# Allegro board P2597_B04_Allegro_layout.brd (continued)
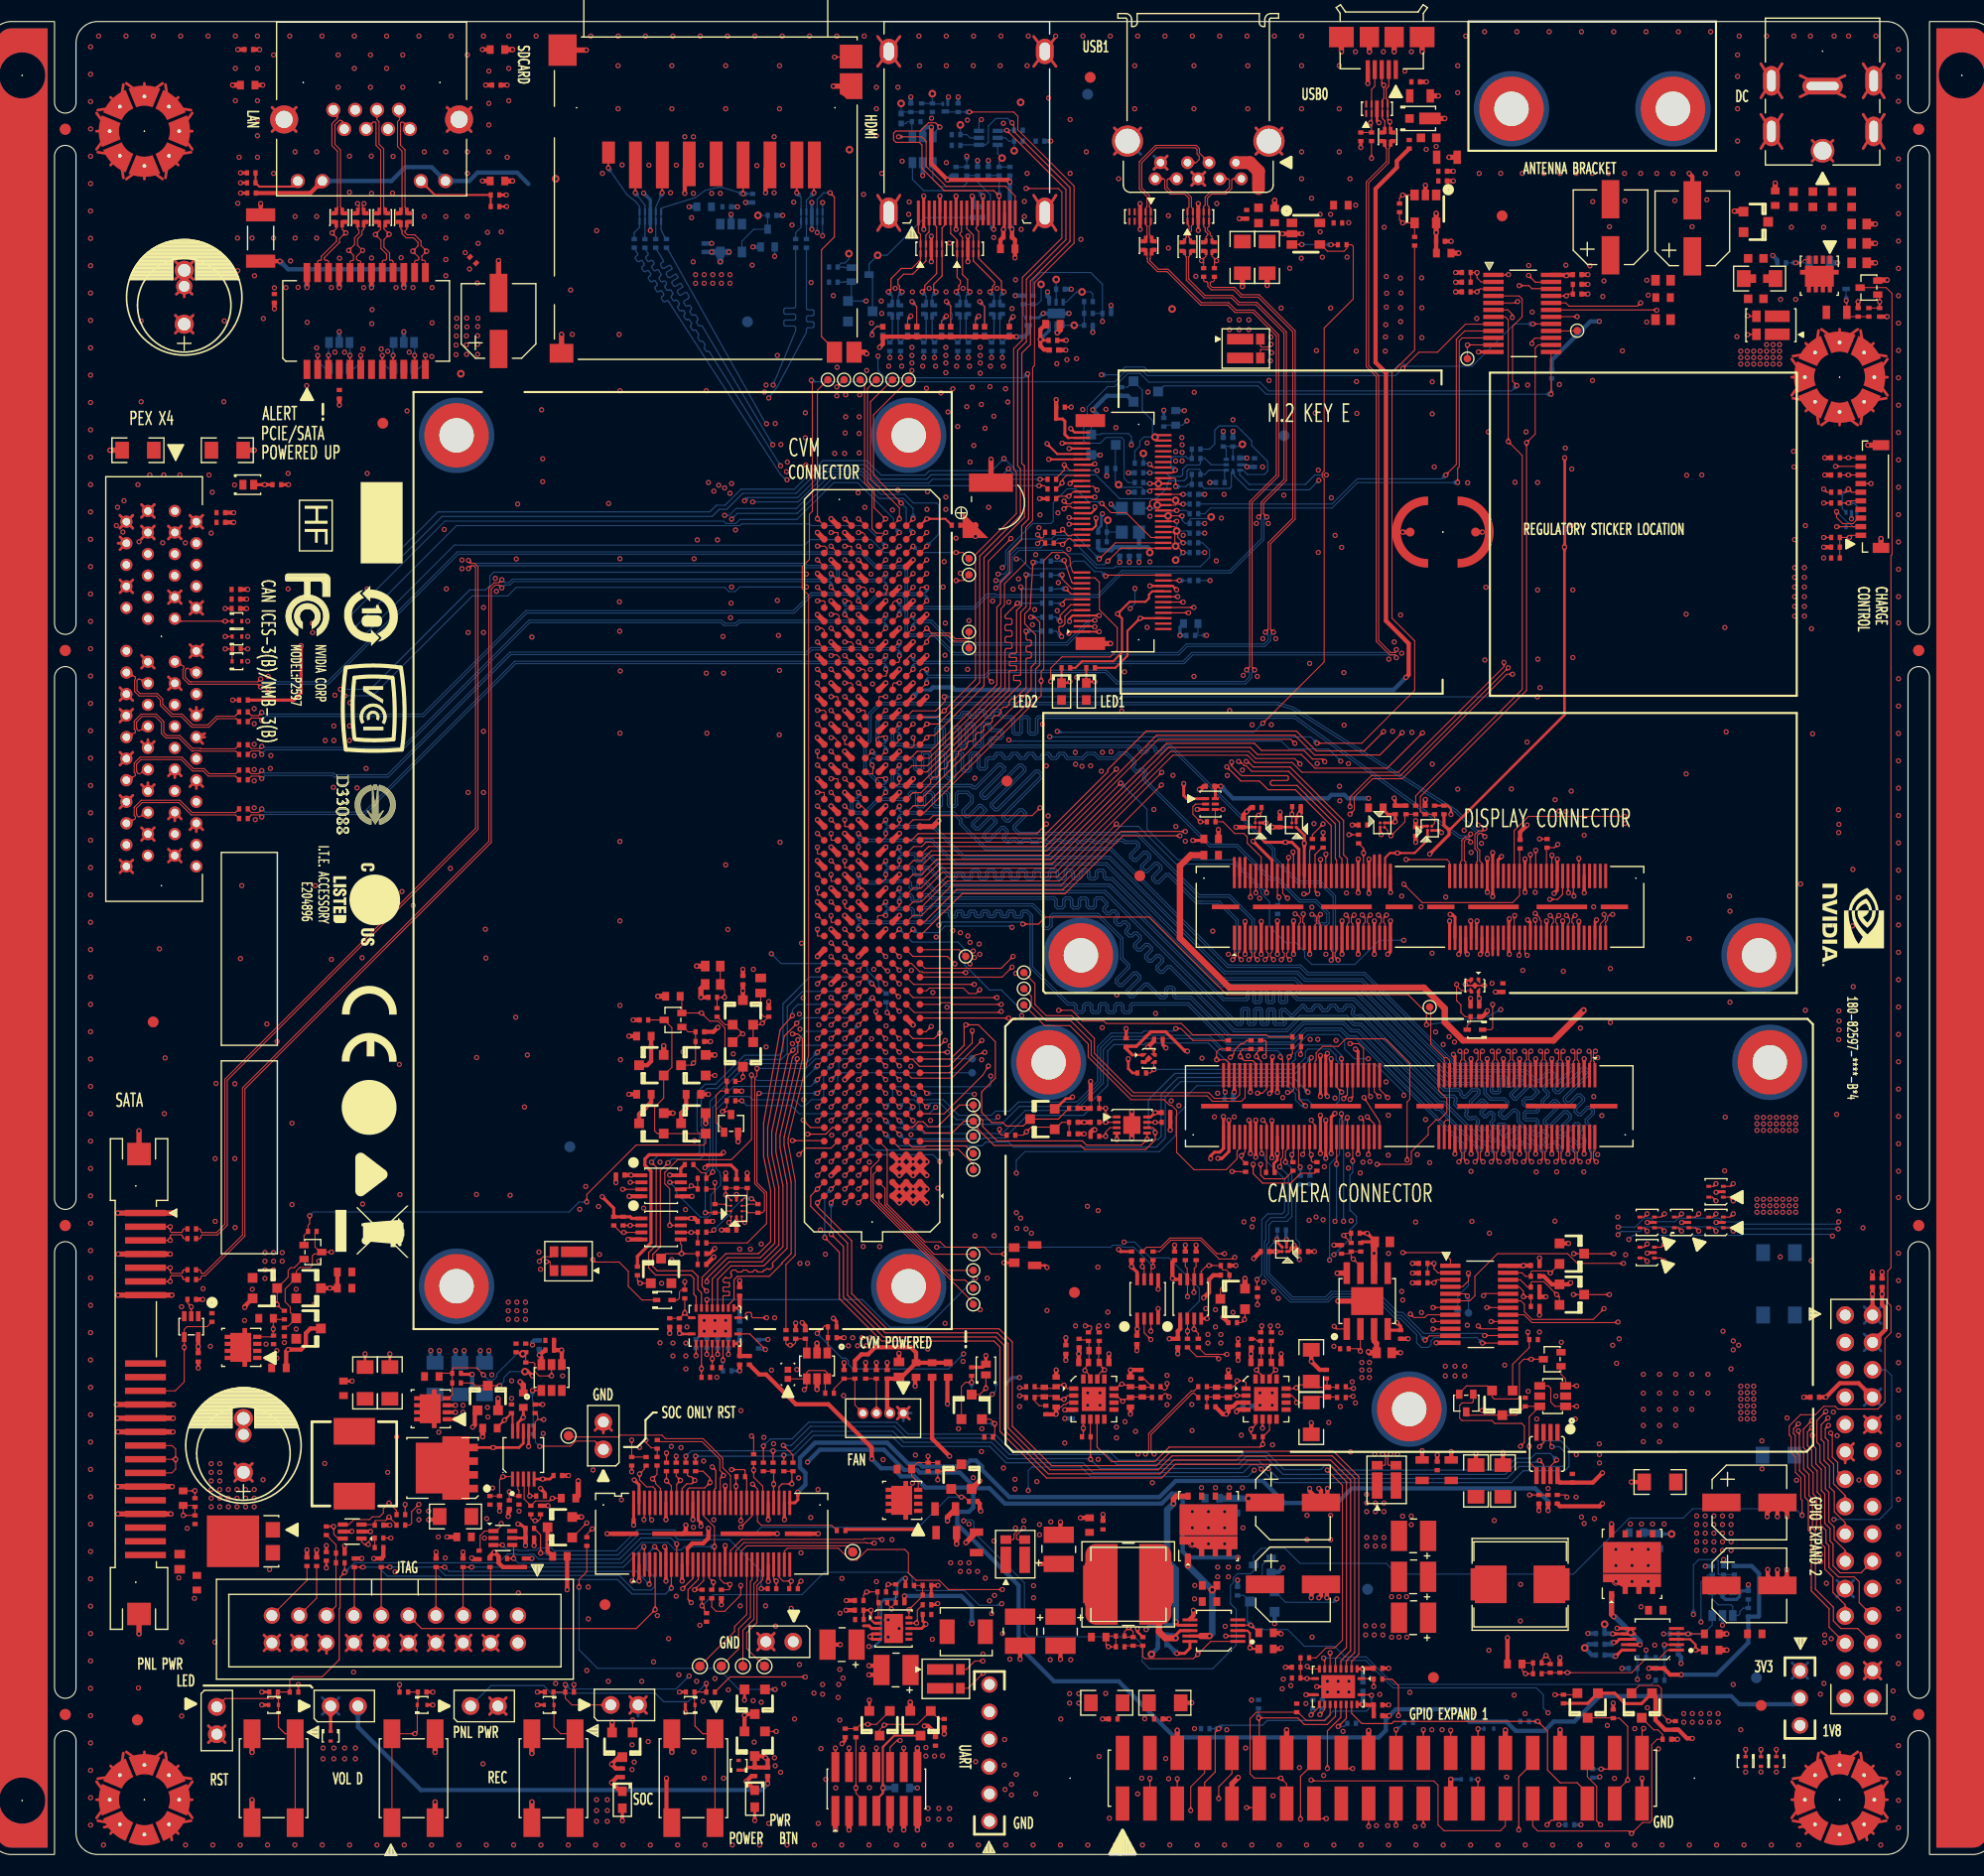
[diagram p0: board, top side]
## Routing (per net, layer and track width the routed paths; a pad name or vN(x,y) marks a point on that pad's centre or on a via; arc(x,y) is an arc through that point) (continued)
UART1_RTS_3V3_L: length 60
  TOP w0.1: U12.2 107.22,48.43 v1(107.85,47.8)
  L3 w0.1: J17.2 93.5,4.97 95.37,4.97 96.46,6.06 96.46,8.22 94.89,9.79 92.3,9.79 91.74,10.35 91.74,11.15 92.39,11.79 93.29,11.79 93.93,12.43 93.93,14.24 97.48,17.79 97.48,22.46 109.14,34.12 109.14,37.66 108.42,38.37 108.42,47.23 v1(107.85,47.8)
UART1_RTS_HDR_3V3: length 122.2
  TOP w0.1: J21.11 117.54,4.35 v1(116.74,4.35) ; U5.2 v1(59.48,62.41)
  L3 w0.1: v1(59.48,62.41) 59.48,61.8 58.15,60.48 58.15,57.05 58.91,56.29 60.2,56.29 60.38,56.11 60.38,54.25 59.62,53.49 59.62,52.02 58.62,51.02 58.62,34.18 59.6,33.2 59.6,31.66 58.86,30.91 58.86,24.61 59.19,24.28 59.19,15.69 58.82,15.32 58.82,9.61 v1(59.85,8.58)
  L4 w0.1: v1(116.74,4.35) 116.58,4.5 110.28,4.5 107.34,1.56 91.97,1.56 91.05,2.48 91.05,3.46 90.67,3.83 86.8,3.83 86.19,4.45 74.97,4.45 71,8.42 60.01,8.42 v1(59.85,8.58)
UART1_RXD: length 53.4
  TOP w0.1: R178.2 112.25,48.38 v1(111.85,48.78) 111.85,49.73 U14.3 ; J13.D10 v1(83.22,71.94)
  L3 w0.1: v1(83.22,71.94) 82.8,71.52 82.8,60.75 84.02,59.53 84.02,57.07 85.06,56.03 87.59,56.03 87.91,55.71 87.91,50.13 v1(88.73,49.31)
  L4 w0.1: v1(88.73,49.31) 89.38,49.31 89.85,49.78 110.85,49.78 v1(111.85,48.78)
UART1_RXD_3V3: length 53.3
  TOP w0.1: R177.1 112.05,54.58 111.88,54.41 U14.6 111.85,53.38 v1(111.85,52.18)
  L3 w0.1: J17.4 94.27,12.12 94.27,14.11 97.79,17.63 97.79,22.32 109.41,33.94 109.41,37.81 108.7,38.52 108.7,49.16 110.72,51.18 111.25,51.18 111.85,51.78 v1(111.85,52.18)
UART1_RXD_HDR_3V3: length 118.5
  TOP w0.1: v1(114.15,5.18) 114.15,6.28 115.38,7.51 J21.10 ; R324.2 58.6,57.75 v1(58.88,57.75) U6.3
  L3 w0.1: v1(59.65,10.18) 59.23,10.61 59.23,15.16 59.59,15.52 59.59,24.45 59.26,24.78 59.26,30.75 60,31.49 60,33.37 59.18,34.19 59.18,50.75 60.97,52.53 60.97,56.76 59.98,57.75 v1(58.88,57.75)
  L4 w0.1: v1(59.65,10.18) 60.79,9.04 71.22,9.04 75.14,5.12 90.69,5.12 91.67,4.14 91.67,2.73 92.33,2.07 107.03,2.07 110.14,5.18 v1(114.15,5.18)
UART1_TXD: length 42.1
  TOP w0.1: U12.6 107.88,54.41 v1(108.05,54.58) R168.2 ; J13.D9 v1(83.22,70.67)
  L3 w0.1: v1(87.95,56.38) 85.21,56.38 84.35,57.24 84.35,59.78 83.09,61.04 83.09,65.88 83.64,66.42 83.64,70.25 v1(83.22,70.67)
  BOTTOM w0.1: v1(87.95,56.38) 87.96,56.39 104.11,56.39 104.29,56.57 105.06,56.57 105.24,56.39 106.24,56.39 v1(108.05,54.58)
UART1_TXD_3V3: length 43.9
  TOP w0.1: v1(107.85,48.58) 107.85,49.73 U12.3
  L3 w0.1: J17.5 93.63,14.02 93.63,14.38 97.14,17.9 97.14,22.54 108.85,34.25 108.85,37.49 108.15,38.2 108.15,46.78 107.45,47.48 107.45,48.18 v1(107.85,48.58)
UART1_TXD_HDR_3V3: length 124.2
  TOP w0.1: U5.3 v1(58.77,61.75) ; J21.8 112.84,7.57 111.55,6.28 v1(111.55,4.08)
  L3 w0.1: v1(58.77,61.75) 57.89,60.87 57.89,56.88 58.78,55.99 59.86,55.99 60.08,55.77 60.08,54.41 59.3,53.63 59.3,52.22 58.34,51.25 58.34,34.18 59.4,33.12 59.4,31.74 58.66,30.99 58.66,24.53 58.98,24.2 58.98,15.77 58.07,14.86 57.27,14.86 56.7,14.28 56.7,13.33 57.12,12.91 58.12,12.91 58.62,12.41 58.62,9.53 59.29,8.86 59.29,8.24 v1(59.65,7.88)
  L4 w0.1: v1(111.55,4.08) 110.23,4.08 107.44,1.29 91.8,1.29 90.25,2.85 86.96,2.85 85.68,4.13 74.06,4.13 70.09,8.1 59.87,8.1 v1(59.65,7.88)
UART2_CTS: length 68.7
  TOP w0.1: v1(93.95,78.92) 89.35,78.92 89.19,79.08 88.38,79.08 88.23,78.92 J13.A15 ; J18.34 104.55,121.78 v1(103.05,120.28)
  L3 w0.1: v1(93.95,78.92) 93.95,80.82 93.55,81.22 93.55,101.08 95.45,102.98 95.45,104.18 94.61,105.02 94.61,115.5 94.21,115.9 94.21,118.32 v1(93.65,118.88)
  BOTTOM w0.1: v1(103.05,120.28) 100.85,122.48 98.95,122.48 98.61,122.14 95.8,122.14 94.56,120.9 94.56,119.26 94.18,118.88 v1(93.65,118.88)
UART2_RTS: length 69.3
  TOP w0.1: v1(91.95,80.28) 91.61,79.94 90.94,79.94 90.43,80.45 87.27,80.45 87.02,80.19 J13.A16 ; J18.36 107.85,122.28 105.55,124.58 104.15,124.58 v1(103.3,125.43)
  L3 w0.1: v1(94.05,119.48) 93.55,119.48 93.03,118.96 93.03,116.93 92.67,116.57 92.67,115.55 93.48,114.74 93.48,110.41 92.35,109.28 92.35,108.35 93.18,107.53 93.18,103.35 92.35,102.52 92.35,83.26 91.95,82.86 v1(91.95,80.28)
  BOTTOM w0.1: v1(103.3,125.43) 103.13,125.6 102.05,125.6 100.86,126.79 100.06,126.79 98.78,125.51 98.78,123.8 98.56,123.58 96.89,123.58 94.36,121.05 94.36,119.79 v1(94.05,119.48)
UART2_RXD: length 68.3
  TOP w0.1: v1(93.95,78.28) 93.85,78.18 85.87,78.18 85.12,78.92 ; v1(103.65,118.68) 103.75,118.78 J18.22
  L3 w0.1: v1(93.95,78.28) 94.43,78.76 94.43,80.78 93.75,81.46 93.75,100.92 95.65,102.82 95.65,104.39 94.87,105.17 94.87,115.62 95.05,115.8 95.05,116.75 94.58,117.22 94.58,118.35 95.35,119.11 v1(95.35,120.28)
  BOTTOM w0.1: v1(103.65,118.68) 103.22,119.11 102.62,119.11 101.65,120.08 100.67,120.08 99.96,119.37 96.66,119.37 95.75,120.28 v1(95.35,120.28)
UART2_TXD: length 68.7
  TOP w0.1: v1(93.55,79.56) 85.76,79.56 85.12,80.19 ; J18.32 105.05,121.28 v1(103.85,120.08)
  L3 w0.1: v1(93.45,118.28) 93.85,117.88 93.85,115.75 94.29,115.31 94.29,104.91 95.25,103.95 95.25,103.13 93.35,101.23 93.35,81 93.55,80.8 v1(93.55,79.56)
  BOTTOM w0.1: v1(93.45,118.28) 93.87,118.28 94.76,119.17 94.76,120.64 95.43,121.31 97.58,121.31 97.89,121.62 98.68,121.62 99.23,122.17 100.39,122.17 102.81,119.75 103.52,119.75 v1(103.85,120.08)
UART3_CTS: length 15.3
  TOP w0.1: J13.G9 v1(78.14,70.67)
  BOTTOM w0.1: v1(78.14,70.67) 78.75,71.28 78.75,72.18 79.15,72.58 TP504.1
UART3_RTS: length 15.3
  TOP w0.1: J13.G10 v1(78.14,71.94)
  BOTTOM w0.1: v1(78.14,71.94) 78.85,72.65 78.85,73.48 79.25,73.88 TP503.1
UART3_RXD: length 25.2
  TOP w0.1: v1(71.45,70.67) 71.25,70.47 71.25,62.36 72.15,61.46 72.15,58.58 70.35,56.78 R82.2 ; 77.5,71.3 v1(76.87,70.67)
  BOTTOM w0.1: v1(76.87,70.67) v1(71.45,70.67)
UART3_TXD: length 20.5
  TOP w0.1: v1(67.15,63.37) 66.56,62.78 R79.1 66.55,63.18 66.45,63.28 66.1,63.28 65.35,64.03 R74.1 ; 77.5,72.57 v1(76.87,71.94)
  BOTTOM w0.1: v1(76.87,71.94) 76.24,71.31 69.08,71.31 67.15,69.38 v1(67.15,63.37)
UART4_RX: length 78.1
  TOP w0.1: v1(69.75,24.98) 69.75,24.08 68.25,22.58 67.45,22.58 67.05,22.98 R87.2 ; v1(94.23,55.75) 93,55.75 92.37,56.39 88.76,56.39 88.28,56.88 86.85,56.88 83.35,60.38 83.35,65.46 J13.D5
  L3 w0.1: v1(93.27,29.1) 93.27,30.7 93.5,30.93 93.5,33.45 93.74,33.69 93.74,36.08 95.34,37.68 95.34,40.78 94.93,41.2 94.93,44.83 95.4,45.3 95.4,55.21 94.86,55.75 v1(94.23,55.75)
  L4 w0.1: v1(93.27,29.1) 92.32,28.15 78.69,28.15 76.84,26.3 72.19,26.3 70.87,24.98 v1(69.75,24.98)
UART4_RX_DBG: length 2.6
  TOP w0.1: J10.29 66.8,25.69 v1(67.2,25.28) 67.2,24.73 R87.1
UART4_TX: length 98.7
  TOP w0.1: R323.1 66.38,22.6 66.38,22.85 v1(66.15,23.08) R85.2 ; J13.D8 v1(83.22,69.4)
  L3 w0.1: v1(92.97,72.28) 93.75,71.5 93.75,70.11 94.2,69.65 94.2,66.78 93.72,66.3 93.72,55.58 93.95,55.35 94.7,55.35 95.12,54.93 95.12,45.48 94.69,45.05 94.69,41.08 95.1,40.67 95.1,37.77 93.51,36.18 93.51,33.8 93.3,33.58 93.3,31.23 92.85,30.79 92.85,28.98 94.34,27.49 94.34,25.42 94.64,25.12 94.64,23.51 94.42,23.28 v1(94,23.28)
  BOTTOM w0.1: v1(66.15,23.08) 67.19,24.12 75.44,24.12 77.52,26.2 85.23,26.2 85.68,25.76 85.68,24.94 86.11,24.5 90.54,24.5 91.91,23.14 93.86,23.14 v1(94,23.28) ; v1(83.22,69.4) 83.85,70.03 83.85,70.98 84.15,71.28 92.84,71.28 92.97,71.41 v1(92.97,72.28)
UART4_TX_DBG: length 3.4
  TOP w0.1: J10.27 66.3,25.43 v1(65.45,24.58) R85.1
USB0_D_N: length 5.9
  TOP w0.101: L13.3 130.05,160.14 v1(130.05,160.88) 129.85,161.08 D10.5 D10.6 129.85,162.88 129.71,163.02 129.71,163.94 129.95,164.18 J20.2
USB0_D_P: length 5.9
  TOP w0.101: L13.4 129.57,160.96 129.35,161.18 D10.4 D10.7 129.35,162.88 129.49,163.02 v1(129.49,164.28) 129.3,164.47 J20.3
USB0_ID_IO_CONN: length 93.7
  TOP w0.1: v1(128.35,157.48) R220.1 ; J13.A36 88.02,105.59 88.6,106.18 v1(88.65,106.18) 91.55,109.08 91.55,120.68 95.35,124.48 95.35,128.32 95.1,128.57 95.1,139.81 95.91,140.61 95.91,146.41 99.58,150.08 99.58,154.34 99.25,154.68 v1(96.25,154.68)
  L4 w0.1: v1(128.35,157.48) 126.35,157.48 123.72,154.86 117.12,154.86 116.95,154.68 v1(96.25,154.68)
USB0_ID_IO_CONN_D: length 7
  TOP w0.1: C134.1 R220.2 128.35,160.68 v1(128.25,160.78) 128.35,160.88 D10.2 D10.9 128.35,163.88 128.65,164.18 J20.4
USB0_IO_CONN_D_N: length 97
  TOP w0.101: v1(85.76,111.31) 85.48,111.31 85.12,110.95 85.12,110.67 ; v1(130.65,111.87) 130.65,111.7 130.55,111.6 130.13,111.6 129.01,112.72 129.01,137.31 128.08,138.24 128.08,155.2 129.96,157.08 129.96,158.39 130.05,158.48 130.05,158.82 L13.2 130.31,159.08 R226.1
  BOTTOM w0.101: v1(85.76,111.31) 85.76,110.87 85.84,110.78 110.84,110.78 111.66,111.6 130.55,111.6 130.65,111.7 v1(130.65,111.87)
USB0_IO_CONN_D_P: length 97.2
  TOP w0.101: v1(130.65,111.11) 130.65,111.28 130.55,111.38 130.04,111.38 128.79,112.63 128.79,137.22 127.86,138.15 127.86,155.29 129.74,157.17 129.74,158.39 129.65,158.48 129.65,158.82 L13.1 129.39,159.08 R224.1 ; 85.12,109.4 v1(85.76,110.04)
  BOTTOM w0.101: v1(130.65,111.11) 130.65,111.28 130.55,111.38 111.75,111.38 110.93,110.56 87.46,110.56 87.46,110.56 85.86,110.56 85.76,110.46 v1(85.76,110.04)
USB0_OC*: length 2
  TOP w0.1: R227.2 130.95,153.78 v1(131.25,154.08) 132.35,154.08
USB0_VBUS_EN: length 3.5
  TOP w0.1: R227.1 130.95,151.78 v1(131.25,151.49) U25.4 132.35,150.18 R230.2
USB1_D_N: length 81.1
  TOP w0.101: L10.1 107.5,148.67 107.5,148.18 107.54,148.14 107.54,147.88 108.46,146.96 109.26,146.96 109.26,146.96 109.35,146.96 112.46,143.86 114.98,143.86 115.67,143.17 117.33,143.17 119.5,141 119.5,128.08 117.03,125.61 117.03,110.27 v1(116.74,109.98) ; J13.A39 86.39,109.88 86.56,110.04 v1(87.03,110.04)
  BOTTOM w0.101: v1(87.03,110.04) 87.03,109.61 87.15,109.49 87.94,109.49 87.95,109.48 92.39,109.48 92.86,109.95 103.7,109.95 104.75,108.9 116.56,108.9 117.01,109.35 117.01,109.71 v1(116.74,109.98)
USB1_D_P: length 81.2
  TOP w0.101: L10.2 107.8,148.67 107.8,148.18 107.76,148.14 107.76,147.97 108.55,147.18 109.17,147.18 109.17,147.18 109.45,147.18 112.55,144.08 115.07,144.08 115.76,143.39 117.42,143.39 119.72,141.09 119.72,127.99 117.25,125.52 117.25,110.23 v1(117.5,109.98) ; J13.A38 v1(87.03,108.77)
  BOTTOM w0.101: v1(87.03,108.77) 87.03,109.19 87.1,109.26 92.48,109.26 92.95,109.73 103.61,109.73 104.66,108.68 116.65,108.68 117.23,109.26 117.23,109.71 v1(117.5,109.98)
USB1_F_D_N: length 15.7
  TOP w0.101: L10.4 107.5,150.09 107.5,150.32 107.49,150.33 107.49,151.2 107.4,151.29 107.4,151.59 D8.9 107.4,151.69 107.4,152.47 D8.2 107.4,152.57 107.4,152.9 107.49,152.99 107.49,153.93 106.78,154.64 106.78,157.17 108.29,158.68 112.06,158.68 112.36,158.38 112.36,157.97 J19.2
USB1_F_D_P: length 15.6
  TOP w0.101: J19.3 112.04,157.08 112.34,157.37 112.34,157.68 112.14,157.88 112.14,158.29 111.97,158.46 108.38,158.46 107,157.08 107,154.73 107.71,154.02 107.71,152.97 107.8,152.88 107.8,152.57 D8.1 107.8,152.47 107.8,151.69 D8.10 107.8,151.59 107.8,151.29 107.71,151.2 107.71,150.42 107.8,150.33 107.8,150.09 L10.3
USB2_D_N: length 21.2
  TOP w0.101: 85.12,114.48 v1(85.76,115.12) ; v1(102.65,114.58) 102.55,114.58 102.5,114.53 J18.5
  BOTTOM w0.101: v1(102.65,114.58) 102.29,114.58 102.1,114.39 101.87,114.39 99.99,112.51 89.58,112.51 88.11,113.98 88.11,113.99 87.5,114.6 87.24,114.6 87.24,114.59 86.69,114.59 85.87,114.59 85.76,114.69 v1(85.76,115.12)
USB2_D_P: length 21.2
  TOP w0.101: v1(85.76,113.85) 85.12,113.21 ; J18.3 102.5,114.03 102.55,113.98 v1(102.65,113.98)
  BOTTOM w0.101: v1(102.65,113.98) 102.29,113.98 102.1,114.17 101.96,114.17 100.08,112.29 89.49,112.29 87.41,114.37 87.34,114.37 87.33,114.37 86.69,114.37 85.87,114.36 85.85,114.36 85.76,114.27 v1(85.76,113.85)
USB3_RX1_F_N: length 8.6
  TOP w0.101: L11.3 111.07,149.9 111.07,150.08 111.1,150.1 111.1,150.13 111.14,150.17 111.14,150.57 111.39,150.82 111.39,151.19 111.3,151.28 111.3,151.59 D9.1 D9.10 111.25,152.82 111.39,152.96 111.39,153.77 111,154.16 109.66,154.16 109.14,154.68 109.14,155.48 109.04,155.58 J19.5
USB3_RX1_F_P: length 8.6
  TOP w0.101: J19.6 109.46,155.58 109.36,155.48 109.36,154.77 109.75,154.38 111.09,154.38 111.61,153.86 111.61,152.96 111.75,152.82 D9.9 D9.2 111.75,151.33 111.61,151.19 111.61,150.73 111.36,150.48 111.36,150.17 111.45,150.08 111.45,149.88 L11.2
USB3_RX1_N: length 78.4
  TOP w0.101: J13.F44 80.04,116.23 79.89,116.39 v1(79.41,116.39) ; 110.97,148.76 111.05,148.68 111.05,148.43 111.14,148.34 111.14,146.18 112.79,144.53 115.32,144.53 115.97,143.88 117.6,143.88 120.22,141.27 120.22,127.66 118.1,125.55 118.1,124.42 v1(117.86,124.18)
  BOTTOM w0.101: v1(79.41,116.39) 79.41,115.97 79.51,115.86 81.22,115.86 82.49,117.13 84.81,117.13 85.23,116.72 85.23,116.16 85.52,115.87 85.56,115.87 85.56,115.86 91.43,115.86 92.6,117.03 93.4,117.03 93.48,116.95 102.89,116.95 105.14,119.2 115.16,119.2 118.13,122.17 118.13,123.91 v1(117.86,124.18)
USB3_RX1_P: length 78.4
  TOP w0.101: v1(79.41,115.12) J13.F43 ; v1(118.62,124.18) 118.32,124.48 118.32,125.45 120.44,127.57 120.44,141.36 117.69,144.1 116.06,144.1 115.41,144.75 112.88,144.75 111.36,146.27 111.36,148.34 111.45,148.43 111.45,148.68 111.52,148.76
  BOTTOM w0.101: v1(118.62,124.18) 118.35,123.91 118.35,122.08 115.25,118.98 105.23,118.98 102.99,116.73 93.38,116.73 93.34,116.78 92.66,116.78 91.52,115.64 88.73,115.64 88.73,115.64 86.74,115.64 86.73,115.64 86.07,115.64 86.07,115.64 85.47,115.64 85.46,115.65 85.43,115.65 85.01,116.07 85.01,116.62 84.72,116.91 82.58,116.91 81.32,115.64 79.51,115.64 79.41,115.54 v1(79.41,115.12)
USB3_TX1_C_N: length 8.6
  TOP w0.101: J19.8 115.04,155.58 115.14,155.48 115.14,154.77 114.75,154.38 113.4,154.38 112.89,153.87 112.89,153.13 112.75,152.99 D9.7 D9.4 112.75,151.17 112.89,151.03 112.89,150.73 113.14,150.48 113.14,150.37 112.97,150.2 L12.3
USB3_TX1_C_P: length 8.6
  TOP w0.101: J19.9 115.46,155.58 115.36,155.48 115.36,154.68 114.84,154.16 113.49,154.16 113.11,153.78 113.11,153.13 113.25,152.99 D9.6 D9.5 113.25,151.17 113.11,151.03 113.11,150.82 113.36,150.57 113.36,150.37 113.52,150.2 L12.2
USB3_TX1_F_N: length 1.7
  TOP w0.101: C105.2 112.75,147.78 v1(112.55,147.98) 112.97,148.41 112.97,148.76
USB3_TX1_F_P: length 1.7
  TOP w0.101: C109.2 113.75,147.78 v1(113.95,147.98) 113.52,148.41 113.52,148.76
USB3_TX1_N: length 79.8
  TOP w0.101: C105.1 112.75,146.13 112.85,146.03 113.04,146.03 113.14,145.93 113.14,145.59 113.46,145.27 115.54,145.27 116.22,144.59 117.81,144.59 121.03,141.38 121.03,124.07 118.75,121.79 118.75,113.75 v1(118.48,113.48) ; J13.C44 83.85,116.19 84.06,116.39 v1(84.49,116.39)
  BOTTOM w0.101: v1(118.48,113.48) 118.75,113.21 118.75,112.78 118.35,112.38 111.14,112.38 110.36,111.6 89.56,111.6 88.17,112.99 88.17,113 87.85,113.32 85.53,113.32 85.24,113.6 85.24,115.44 84.81,115.86 84.59,115.86 84.49,115.97 v1(84.49,116.39)
USB3_TX1_P: length 79.9
  TOP w0.101: C109.1 113.75,146.13 113.65,146.03 113.46,146.03 113.36,145.93 113.36,145.68 113.55,145.49 115.63,145.49 116.31,144.82 117.91,144.82 121.25,141.47 121.25,123.98 118.97,121.7 118.97,113.75 v1(119.24,113.48) ; J13.C43 v1(84.49,115.12)
  BOTTOM w0.101: v1(119.24,113.48) 118.97,113.21 118.97,112.69 118.44,112.16 111.23,112.16 110.45,111.38 89.46,111.38 87.95,112.9 87.95,112.9 87.75,113.1 85.43,113.1 85.02,113.51 85.02,115.34 84.72,115.64 84.59,115.64 84.49,115.54 v1(84.49,115.12)
USB_VBUS_EN0: length 111
  TOP w0.1: J13.A17 94.03,81.46 v1(94.95,82.38) ; R230.1 132.35,139.68 130.25,137.58 130.25,114.78 132.35,112.67 132.35,108.08 127.45,103.18 v1(123.28,103.18)
  L3 w0.1: v1(98.45,103.78) 97.26,102.59 97.26,102.09 95.55,100.38 95.55,82.98 v1(94.95,82.38)
  BOTTOM w0.1: v1(98.45,103.78) 98.47,103.76 98.92,103.76 98.93,103.75 99.37,103.75 99.38,103.76 122.69,103.76 v1(123.28,103.18)
USB_VBUS_EN1: length 103.7
  TOP w0.1: J13.A18 86.85,82.28 93.95,82.28 v1(95.05,83.38) ; 123.54,149.48 123.63,149.48 124.25,148.86 125.8,148.86 126.02,149.08 R216.1 126.5,149.46 126.65,149.31 126.65,144.42 123.95,141.72 123.95,128.43 123.76,128.24 123.76,127.92 123.95,127.73 123.95,110.73 v1(118.25,105.03)
  L3 w0.1: v1(99.15,104.28) 98.35,104.28 97,102.93 97,102.23 95.35,100.58 95.35,85.88 95.05,85.58 v1(95.05,83.38)
  BOTTOM w0.1: v1(99.15,104.28) 99.25,104.18 117.4,104.18 v1(118.25,105.03)
USB_VBUS_EN2: length 4.5
  TOP w0.1: TP14.1 90.03,84 J13.A19
USB_VBUS_J38: length 4
  TOP w1.2: J19.1 117.05,157.08 117.85,156.28 117.85,154.68
USB_VBUS_J38_FB:
  vias: v1(121.82,148.21)
USB_VBUS_OC0: length 4.3
  TOP w0.1: 120.95,149.48 v1(121.87,149.48) ; R216.2 v1(124.57,149.46)
  BOTTOM w0.1: v1(121.87,149.48) 124.55,149.48 v1(124.57,149.46)
VAUX_5V: length 138.9
  TOP w0.28: J10.60 74.3,32.65 74.77,32.65 75.05,32.93 v1(75.05,33.63)
  TOP w0.3: R62.1 60.15,55.53 61.41,56.79 61.41,63.43 60.85,63.99 60.85,64.58 61.24,64.97 67.94,64.97 v1(68.15,65.18)
  TOP w0.4: R92.1 v1(68.35,63.28) ; R254.1 v1(144.75,31.93)
  L3 w0.4: v1(75.05,33.63) 74.12,33.63 73.76,33.99 73.76,35.33 71.76,37.33 71.62,37.33 71.18,37.78 71.18,38.25 71.33,38.41 71.33,39.37 70.45,40.25 70.45,50.79 72.92,53.26 72.92,59.91 69.55,63.28 v1(68.35,63.28) 68.15,63.48 v1(68.15,65.18)
  BOTTOM w0.4: v1(75.05,33.63) 75.76,34.34 75.76,35.43 75.25,35.94 75.25,36.83 76.65,38.23 83.35,38.23 85.3,36.28 86.35,36.28 86.61,36.02 90.49,36.02 91.05,36.58 91.6,36.58 92.17,36.01 92.17,35.71 94.7,33.18 108.65,33.18 110.15,34.68 118.25,34.68 120.3,32.63 125.15,32.63 126.51,33.99 143.56,33.99 144.75,32.8 v1(144.75,31.93)
VAUX_5V_G: length 17.1
  TOP w0.1: v1(147.4,43.5) 146.38,43.5 146.38,44.16 145.95,44.58 Q40.1 ; R254.2 R252.1 v1(143.03,33.38)
  L3 w0.1: v1(147.4,43.5) 146.78,42.88 146.78,39.58 145.55,38.35 145.55,37.58 144.1,36.13 143.35,36.13 143.03,35.8 v1(143.03,33.38)
VAUX_5V_L: length 12.4
  TOP w0.1: Q40.3 v1(143.17,45.98) 142.47,45.98 142.08,45.59 142.08,42.47 141.91,42.29 139.74,42.29 139.55,42.48 Q37.2 139.12,43.5 137.17,43.5 136.5,42.83 Q36.2
VBST: length 3.3
  TOP w0.28: v1(110.25,18.67) 110.99,18.67 111.48,19.16 U16.10
  BOTTOM w0.4: R536.1 109.44,19.48 v1(110.25,18.67)
VBST_IO: length 2.5
  TOP w0.28: U31.10 151.61,18.98 v1(151.02,18.39)
  BOTTOM w0.4: v1(151.02,18.39) 150.89,18.52 R515.1
W_DISABLE1_L: length 65.6
  TOP w0.1: v1(141.85,136.38) 141.45,136.78 141.45,141.88 142.34,142.77 142.34,144.42 142.06,144.71 U29.4
  BOTTOM w0.1: R539.2 105.75,127.38 105.36,127.77 105.36,129.36 105.35,129.37 105.35,131.33 105.13,131.56 103.67,131.56 103.15,131.03 101.85,131.03 101.6,131.28 101.6,132.45 101.92,132.78 101.92,134.38 103.82,136.28 104.48,136.28 105.7,137.51 106.85,137.51 107.65,136.71 117.97,136.71 118.8,135.88 141.35,135.88 v1(141.85,136.38)
W_DISABLE1_R_L: length 2.7
  TOP w0.1: J18.56 v1(107.75,127.28)
  BOTTOM w0.1: R539.1 107.25,127.28 v1(107.75,127.28) v2(108.55,127.28)
W_DISABLE2_L: length 8.6
  TOP w0.1: v1(107.75,126.58) 107.95,126.78 J18.54
  BOTTOM w0.1: Q504.3 104.55,130.84 R543.2 104.55,127.48 v2(104.85,127.18) 105.09,126.94 106.99,126.94 107.15,126.78 R540.1 107.25,126.58 v1(107.75,126.58)
WDT_TIME_OUT_L: length 115.1
  TOP w0.1: J13.C9 v1(84.49,70.67)
  TOP w0.111: v1(153.95,56.68) 153.65,56.38 D23.4
  L4 w0.1: J26.16 174.23,32.3 172.77,33.76 171.73,33.76 171.07,34.41 171.07,35.8 169.6,37.28 167.15,37.28 165.25,39.18 165.25,47.27 156.95,55.58 156.28,55.58 156.01,55.85 155.1,55.85 154.27,56.68 v1(153.95,56.68) 153.95,57.2 153.12,58.03 153.12,58.65 151.88,59.89 115.01,59.89 114.6,60.3 102.77,60.3 102.25,59.78 99.5,59.78 95.5,63.78 94.65,63.78 87.25,71.18 85,71.18 v1(84.49,70.67)
WIFI2_EN: length 33.6
  TOP w0.1: J13.A29 86.76,96.7 97.66,107.61 97.66,108.96 v1(97.65,108.96) 97.66,108.97 97.66,109.83 97.9,110.07 97.9,120.13 98.65,120.88 99.85,120.88 100.32,120.41 100.39,119.67 100.56,119.12 100.65,119.03 J18.23
WIFI2_WAKE_AP_L: length 51.7
  TOP w0.1: v1(98.54,108.91) 98.54,110.14 99.58,111.19 104.08,111.19 104.73,111.84 104.73,113.91 103.07,115.56 103.07,118.11 102.65,118.53 J18.21 ; 85.12,85.27 v1(85.76,85.91)
  L3 w0.1: v1(98.54,108.91) 98.54,104.93 96.71,103.1 96.71,102.38 94.95,100.62 v1(94.95,86.08)
  BOTTOM w0.1: v1(94.95,86.08) 94.83,86.2 88.72,86.2 88.11,85.59 86.08,85.59 v1(85.76,85.91)

## Copper pours and planes (outline as drawn; the poured copper is in the pictures)
3V3_GPIO_HDR on TOP: 124.75,6.58 124.65,6.48 124.65,3.08 124.45,2.88 106.35,2.88 106.15,3.08 106.15,6.68 105.57,7.26 104.57,7.26 104.4,7.43 104.4,11.23 104.55,11.38 106.05,11.38 106.25,11.58 106.25,14.88 105.75,15.38 104.75,15.38 104.35,14.98 104.35,13.07 104.55,12.87 104.55,12.32 104.41,12.18 104.14,12.18 103.45,11.48 103.45,2.48 104.45,1.48 125.75,1.48 126.45,2.18 126.45,6.48 126.35,6.58
3V3_IO_SLP_R on TOP: 85.35,30.98 84.85,30.48 78.56,30.48 78.28,30.76 75.77,30.76 75.45,31.08 75.45,33.82 75.1,34.18 75.1,37.39 74,38.49 70.92,38.49 70.48,38.06 70.48,36.36 70.28,36.15 68.51,36.15 68.31,36.36 68.31,36.87 66.34,38.84 62.85,38.84 62.52,39.17 58.79,39.17 58.08,39.88 56.15,39.88 53.63,42.4 53.63,46.14 53.48,46.3 53.48,46.46 52.76,47.18 52.76,48.13 52.75,48.14 52.14,48.14 51.95,48.32 51.95,52.51 53.05,53.61 53.05,54.73 58.44,54.73 59.09,54.07 59.09,52.67 61.63,50.13 61.63,46.78 64.95,43.47 67.73,43.47 68.44,44.18 71.93,44.18 74.72,41.39 77.62,41.39 81.35,37.66 81.35,36.43 81.5,36.28 82.35,36.28 82.5,36.43 82.5,36.83 82.72,37.05 84.38,37.05 85.1,36.33 85.1,35.23 85.35,34.98
5V0_GPIO_HDR on TOP: 104.55,7.68 104.65,7.58 108.35,7.58 108.75,7.98 108.75,11.98 108.45,12.28 108.45,15.18 108.25,15.38 106.95,15.38 106.45,14.88 106.45,11.38 106.25,11.18 104.65,11.18 104.55,11.08
19V_INPUT on TOP: 164.35,147.16 164.72,146.79 164.72,145.84 164.35,145.47 164.35,143.78 164.75,143.38 164.75,142.28 170.95,142.28 171.75,143.08 171.75,146.78 171.35,147.18 166.25,147.18 165.16,148.27 165.16,148.59 164.37,148.59 164.35,148.58
AVDD_CAM on L3: 127,55.53 124.55,57.98 124.55,59.13 123.5,60.18 123.5,67.98 122.95,68.53 122.95,74.38 122.96,74.39 122.96,74.77 123.2,75 124.05,75 124.92,74.13 124.92,71.93 125.45,71.41 125.45,65.78 128.78,62.45 128.78,55.7 128.6,55.53
DVDD_CAM_IO_1V2 on L3: 118.1,70.43 118.25,70.28 119.07,70.28 119.27,70.48 119.27,70.98 119.8,71.5 119.8,73.5 119.52,73.78 119.52,74.25 119.45,74.33 118.88,74.33 118.77,74.23 118.77,73.86 118.5,73.58 115,73.58 114.75,73.83 114.75,74.98 114.41,75.32 111.29,75.32 110.82,74.86 110.82,72.98 111.4,72.41 117.27,72.41 118.1,71.58
DVDD_CAM_IO_1V8 on L3: 118.71,63.82 118.71,64.72 118.79,64.8 118.79,66.11 118.57,66.33 118.57,68.2 118.8,68.43 122.06,68.43 122.76,67.74 122.76,65.74 122.05,65.03 122.05,64.48 122.45,64.08 122.45,60.43 121.85,59.83 121.85,55.93 121.5,55.58 121.31,55.58 121.01,55.28 118.63,55.28 118.09,55.82 118.09,59.32 117.97,59.44 117.97,63.08
GND on TOP: 132.19,19.9 130.12,19.9 130.01,20 130.01,31.42 130.23,31.64 132.16,31.64 132.3,31.5 132.3,20
GND on TOP: 176.65,169.93 9.55,169.93 8.35,168.73 8.35,1.48 9.55,0.28 176.25,0.28 177.95,1.98 177.95,168.63 ; 14 cut-outs
GND on BOTTOM: 176.65,169.93 9.55,169.93 8.35,168.73 8.35,1.48 9.55,0.28 176.25,0.28 177.95,1.98 177.95,168.63 ; 15 cut-outs
GND on L2: 168.66,169.54 177.53,169.54 177.53,0.65 168.53,0.65 167.9,1.28 163.06,1.28 162.43,0.65 124.84,0.65 124.21,1.28 119.38,1.28 118.74,0.65 81.16,0.65 80.52,1.28 75.69,1.28 75.05,0.65 23.75,0.65 23.12,1.28 18.28,1.28 17.65,0.65 8.64,0.65 8.64,169.54 17.65,169.54 18.28,168.9 23.12,168.9 23.75,169.54 75.05,169.54 75.69,168.9 80.52,168.9 81.16,169.54 118.74,169.54 119.38,168.9 124.21,168.9 124.84,169.54 162.43,169.54 163.06,168.9 168.02,168.9 ; 1 cut-out
GND on L3: 176.65,169.93 9.55,169.93 8.35,168.73 8.35,1.48 9.55,0.28 176.25,0.28 177.95,1.98 177.95,168.63 ; 13 cut-outs
GND on L4: 176.65,169.93 9.55,169.93 8.35,168.73 8.35,1.48 9.55,0.28 176.25,0.28 177.95,1.98 177.95,168.63 ; 11 cut-outs
GND on L5: 168.66,169.54 177.53,169.54 177.53,0.65 168.53,0.65 167.9,1.28 163.06,1.28 162.43,0.65 124.84,0.65 124.21,1.28 119.38,1.28 118.74,0.65 81.16,0.65 80.52,1.28 75.69,1.28 75.05,0.65 23.75,0.65 23.12,1.28 18.28,1.28 17.65,0.65 8.64,0.65 8.64,169.54 17.65,169.54 18.28,168.9 23.12,168.9 23.75,169.54 75.05,169.54 75.69,168.9 80.52,168.9 81.16,169.54 118.74,169.54 119.38,168.9 124.21,168.9 124.84,169.54 162.43,169.54 163.06,168.9 168.02,168.9
VDD_1V2 on TOP: 138.05,81.38 139.45,82.78 139.45,83.78 140.85,83.78 140.85,80.78 140.75,80.68 139.55,80.68 139.35,80.88 138.05,80.88
VDD_1V8 on TOP: 86.59,6.78 85.75,6.78 85.75,9.98 86.15,10.38 88.42,10.38 89.07,11.03 89.07,12.92 89.05,12.94 88.2,12.94 88.03,13.11 88.03,13.92 88.01,13.93 87.21,13.93 87.05,14.09 87.05,15.93 89.49,15.93 89.49,14.86 89.59,14.76 90.77,14.76 93.39,17.38 119.05,17.38 119.75,16.68 121.15,16.68 121.15,15.18 120.95,14.98 111.85,14.98 110.95,15.88 100.35,15.88 100.35,15.88 99.6,15.88 98.95,15.23 98.95,2.23 98.2,1.48 88.55,1.48 87.01,3.03 87.01,6.36
VDD_1V8 on BOTTOM: outline of 135 points within 30.65,27.54 166.84,97.68
VDD_1V8 on L3: 85.75,7.88 85.45,8.18 85.45,10.27 84.41,11.31 82.21,11.31 81.17,12.35 81.17,26.84 82.05,27.72 82.05,29.09 82.67,29.71 82.67,34.98 80.96,36.69 80.96,38.97 78.65,41.28 78.65,48.25 79.04,48.64 88.34,48.64 88.97,48.01 88.97,42.84 89.49,42.32 89.49,40.4 89.14,40.05 89.14,38.78 89.67,38.26 89.67,33.21 90.23,32.65 90.23,30.51 91.17,29.56 91.17,28.23 90.77,27.83 89.02,27.83 88.25,27.05 88.25,21.92 86.32,19.99 86.32,13.26 87.95,11.63 87.95,8.25 87.58,7.88
VDD_1V8 on L3: outline of 208 points within 89.45,1.65 169.17,164.18
